# Allegro board TDI_KU5P_QSFP28_CXP_V001-20240805_1841.brd (continued)
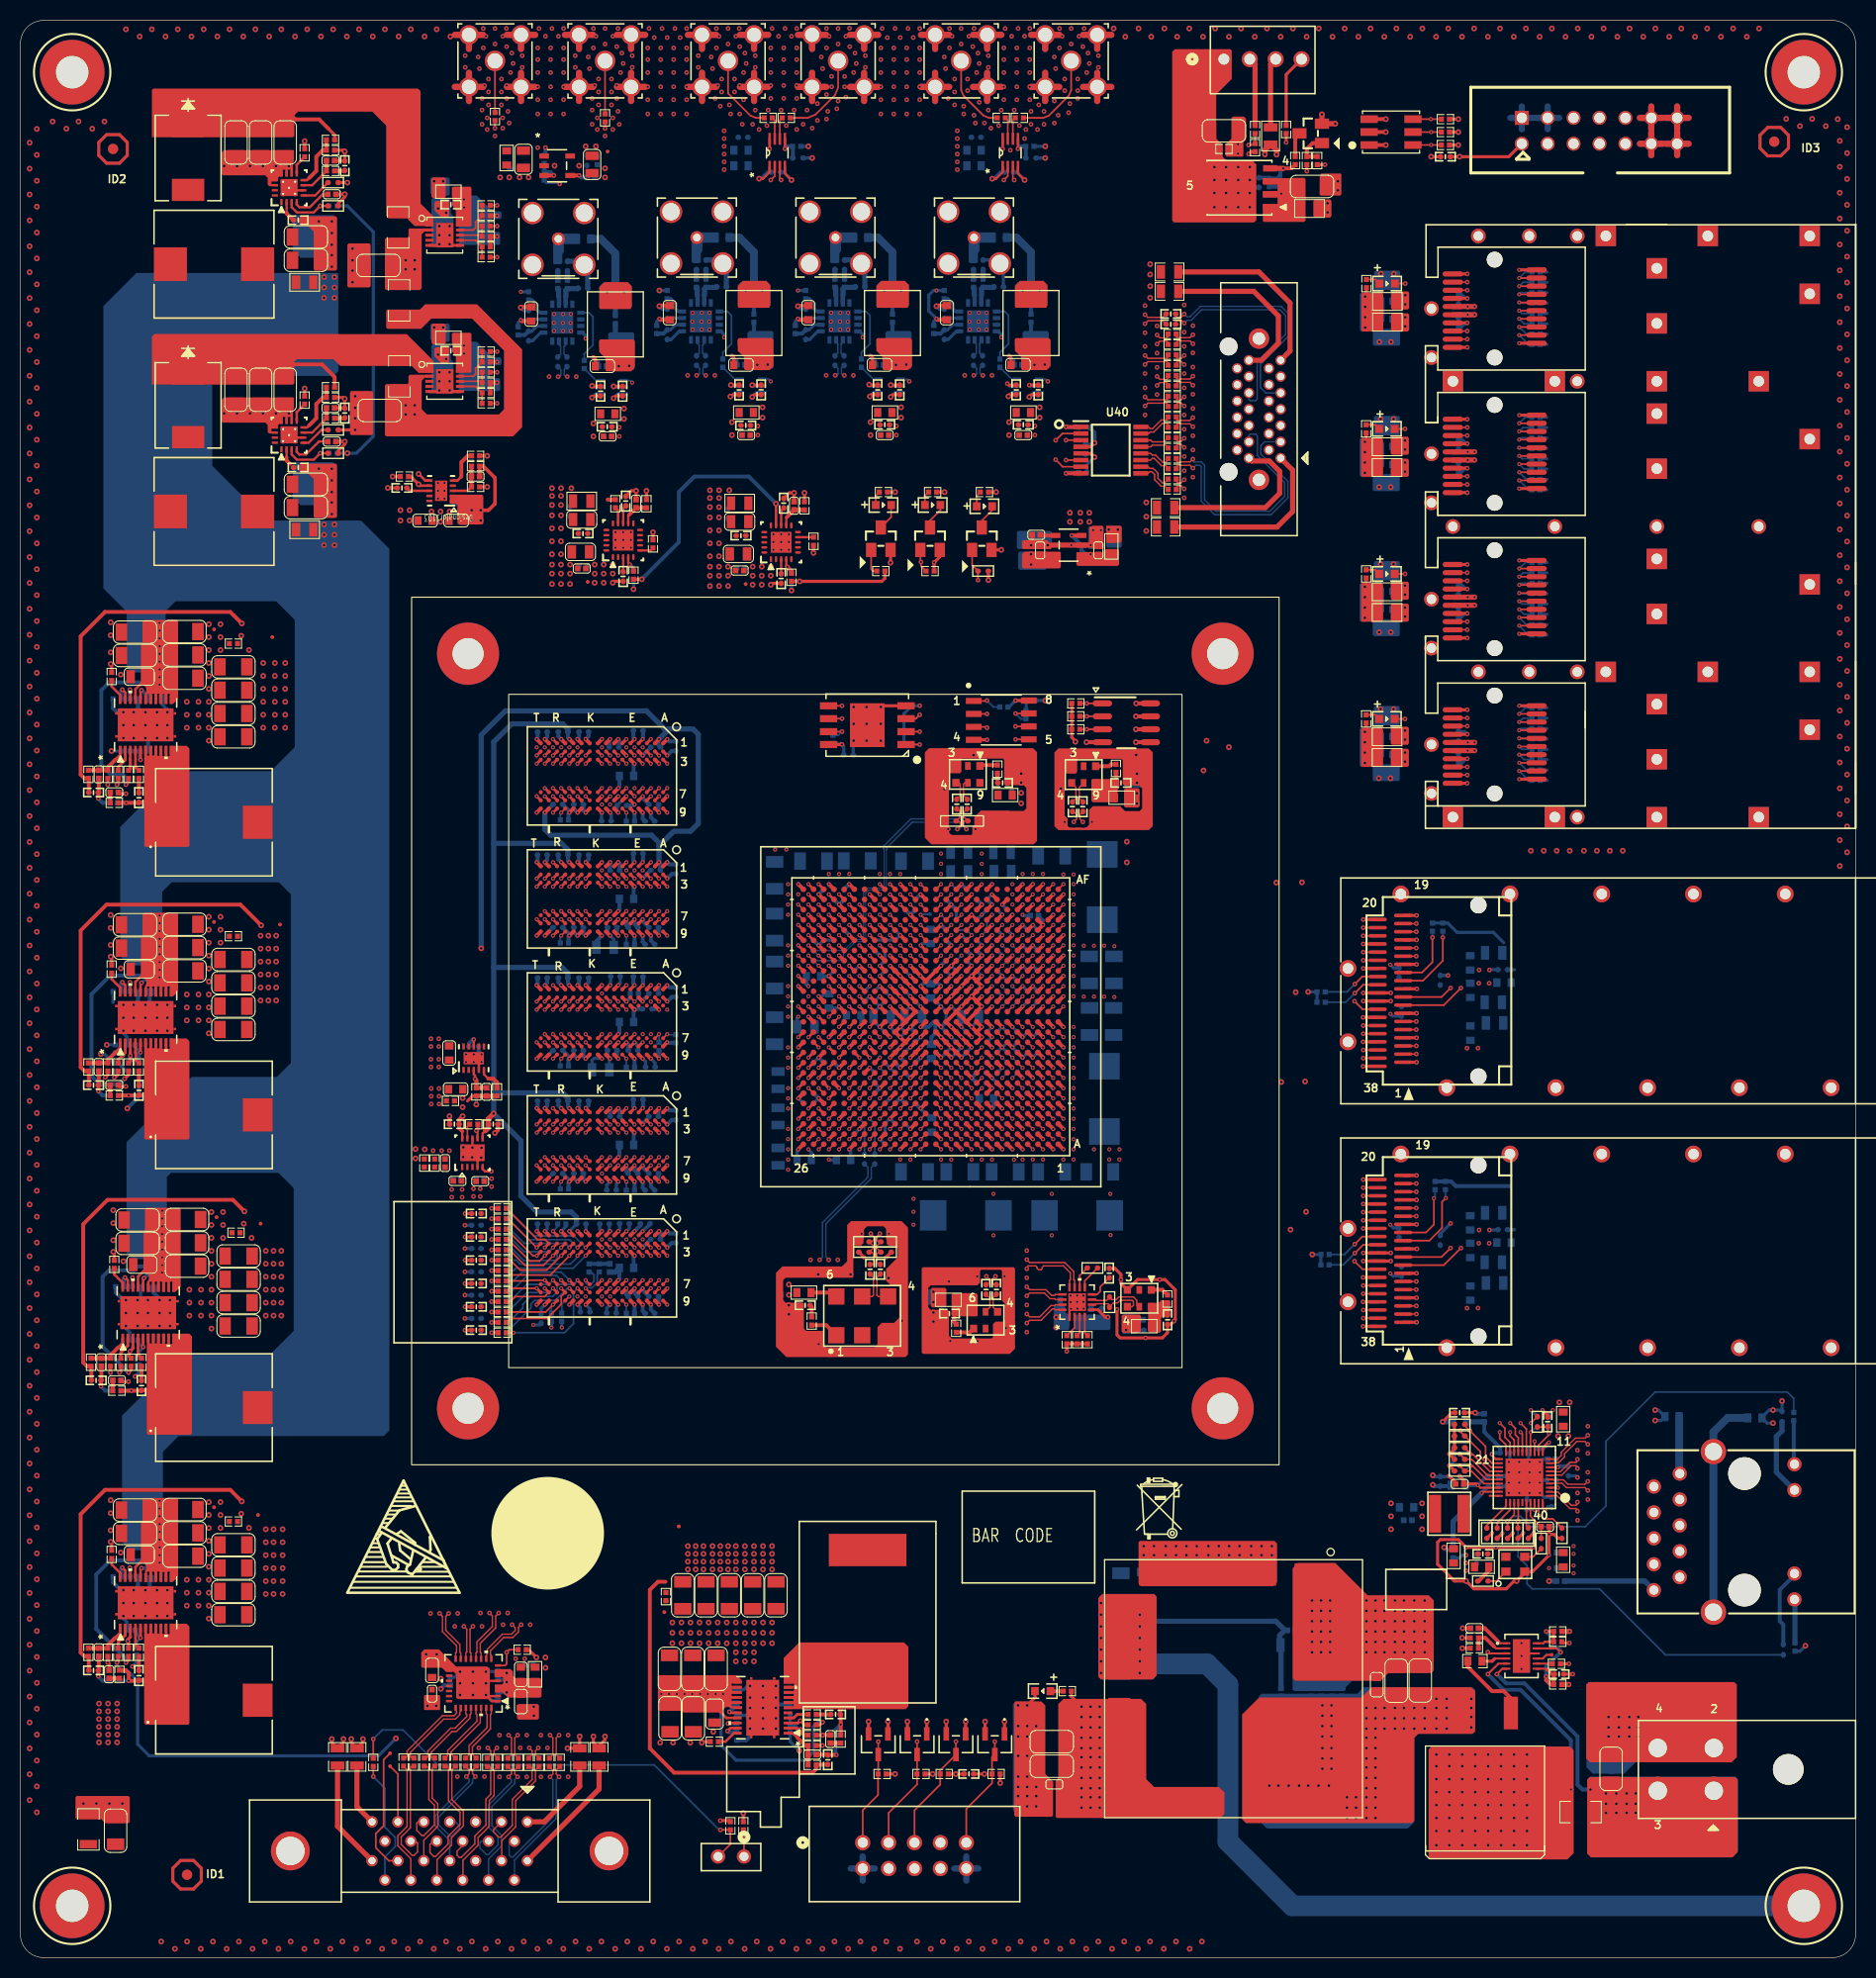
[diagram p0: board, top side]
## Routing (per net, layer and track width the routed paths; a pad name or vN(x,y) marks a point on that pad's centre or on a via; arc(x,y) is an arc through that point) (continued)
CHA_GPIO_3V3_11: length 131.6
  TOP w0.17: U1.K10 v1(93.3,88.28)
  ART03 w0.122: J3.6 150.99,179.1 150.99,177.16 149.22,175.38 139.26,175.38 126.25,162.37 126.25,143.79 112.72,130.25 112.72,97.09 107.42,91.8 94.17,91.8 93.79,91.41 93.79,90.02 93.54,89.76 93.03,89.76 92.9,89.64 92.9,88.67 v1(93.3,88.28)
CHA_GPIO_3V3_12: length 130.9
  TOP w0.17: U1.K9 v1(94.3,89.28)
  ART03 w0.122: J3.8 153.53,179.1 153.53,176.41 151.76,174.63 139.58,174.63 127.01,162.06 127.01,143.48 113.48,129.95 113.48,96.79 106.46,89.78 95.07,89.78 94.58,89.28 v1(94.3,89.28)
CHA_GPIO_3V3_13: length 134.4
  TOP w0.17: U1.H9 v1(94.3,87.28)
  ART03 w0.122: v1(94.3,87.28) 94.79,87.77 105.48,87.77 114.24,96.54 114.24,129.65 127.76,143.16 127.76,161.75 139.89,173.88 153.78,173.88 156.07,176.17 156.07,179.1 J3.10
CHA_GPIO_3V3_14: length 109.9
  TOP w0.17: U1.AD13 v1(90.3,103.28) ; R360.1 v2(46.55,179.43)
  ART05 w0.122: v2(46.55,179.43) 47.54,178.44 47.54,177.14 46.34,175.95 46.34,174.19 48.33,172.21 48.33,159.11 49.6,157.84 49.6,151.82 59.07,142.34 62.17,142.34 65.47,139.04 65.47,135.61 68.27,132.82 80.18,132.82 95.14,117.86 95.14,110.54 91.69,107.09 91.69,103.97 91.46,103.73 90.87,103.73 90.42,103.28 v1(90.3,103.28)
CHA_GPIO_3V3_15: length 102.7
  TOP w0.17: U1.AA13 v1(90.3,100.28) ; R357.1 v2(57.34,179.4)
  ART05 w0.122: v1(90.3,100.28) 90.3,100.37 90.74,100.81 90.74,101.32 91.13,101.7 91.51,101.7 91.91,102.11 91.91,106.75 95.52,110.36 95.52,124.43 85.92,134.04 85.92,137.26 74.89,148.29 68.67,148.29 61.69,155.27 61.69,173.05 57.34,177.39 57.34,177.97 56.85,178.46 56.85,178.87 57.34,179.36 v2(57.34,179.4)
CHA_MGTAVCC: length 16.2
  TOP w0.305: v3(58.11,134.85) 58.24,134.99 C373.1
  TOP w0.381: U1.N7 v1(96.3,91.27) ; U1.AC7 v1(96.3,102.28) ; U1.W7 v1(96.3,98.28) ; U1.J7 v1(96.3,87.27) ; U1.AA7 v1(96.3,100.28) ; U1.L7 v1(96.3,89.28)
  BOTTOM w0.305: C118.1 95.8,88.78 v1(96.3,89.28) ; U1.J7 v1(96.3,87.27) 95.8,86.77 C126.2 ; U1.L7 v1(96.3,89.28) ; v1(96.3,89.28) 96.8,89.78 C114.1 ; v1(96.3,89.28) 96.8,88.78 C125.2 ; U1.W7 v1(96.3,98.28) 95.8,98.78 C113.1 ; v1(96.3,91.27) 95.8,90.78 C127.2 ; v1(96.3,91.27) 96.79,90.78 C124.2 ; v1(96.3,91.27) U1.N7 ; U1.AA7 v1(96.3,100.28) 95.8,100.78 C122.1 ; U1.AC7 v1(96.3,102.28) 95.8,102.78 C116.1
  vias: v1(75.29,105.28) v1(75.29,104.28) v1(75.29,103.28) v1(75.29,102.28) v1(76.29,104.28) v1(84.29,106.28) v1(85.29,106.28) v1(86.29,106.28) v3(56.33,136.63) v3(56.33,135.74) v3(56.33,134.85) v3(57.22,136.63) v3(57.22,135.74) v3(57.22,134.85) v3(58.11,136.63) v3(58.11,135.74)
CHA_MGTAVCC_GOOD: length 24.3
  TOP w0.254: U24.14 v3(74.11,142.6)
  TOP w0.305: R216.1 v3(60.94,135.18)
  BOTTOM w0.381: v3(74.11,142.6) 71.45,145.26 66.11,145.26 64.58,143.74 64.58,138.82 v3(60.94,135.18)
CHA_MGTAVTT: length 20.4
  TOP w0.305: v3(73.6,134.65) 73.74,134.79 C382.1 ; U1.T5 v1(98.3,95.28)
  TOP w0.381: U1.E7 95.8,83.77 v1(96.29,83.28) ; U1.G7 v1(96.3,85.28) ; U1.H5 v1(98.3,86.28) ; U1.P5 v1(98.3,93.28) ; U1.V5 v1(98.3,97.28) ; U1.C7 v1(96.3,81.27) ; U1.F5 v1(98.3,84.27) ; U1.AE7 v1(95.29,104.28) ; U1.AB5 v1(98.3,101.28) ; U1.AD8 v1(95.3,103.28) ; U1.M5 v1(98.3,90.27) ; U1.Y5 v1(98.3,99.28) ; U1.K5 v1(98.3,88.28) ; U1.A7 v1(96.3,79.28)
  BOTTOM w0.305: U1.A7 v1(96.3,79.28) ; v1(98.3,99.28) 98.8,98.78 C93.1 ; C100.2 98.8,94.78 v1(98.3,95.28) ; v1(98.3,90.27) 98.8,90.78 C97.2 ; v1(95.29,104.28) 94.8,103.78 R55.1 ; v1(98.3,88.28) 98.8,88.78 C99.2 ; U1.F5 v1(98.3,84.27) ; v1(98.3,97.28) 98.8,96.78 C96.1 ; C92.1 98.8,100.78 v1(98.3,101.28) ; C101.2 v1(98.3,93.28) ; U1.C7 v1(96.3,81.27)
  BOTTOM w0.381: R55.1 94.8,103.78 v1(95.3,103.28)
  vias: v1(97.45,78.26) v1(98.3,78.28) v1(99.3,78.28) v1(100.3,78.28) v1(102.3,106.23) v1(103.3,106.23) v1(104.3,94.25) v1(105.3,94.25) v1(106.3,94.25) v1(107.29,94.22) v3(71.82,136.42) v3(71.82,135.53) v3(71.82,134.65) v3(72.71,136.42) v3(72.71,135.53) v3(72.71,134.65) v3(73.6,136.42) v3(73.6,135.53)
CHA_MGTAVTT_GOOD: length 64.9
  TOP w0.305: R222.1 v3(76.44,134.98) 84.49,134.98 84.8,135.29 R224.2
  ART05 w0.305: v3(76.44,134.98) 76.44,139.96 75.66,140.74 72.23,140.74 70.82,142.15 70.82,145.1 60.8,155.12 60.8,170.26 57.09,173.96 v2(52.9,173.96)
  BOTTOM w0.305: R281.2 51.61,174.09 52.77,174.09 v2(52.9,173.96)
CHA_MGTH224_RXN0: length 72.4
  TOP w0.17: U1.AF1 v1(102.3,105.28)
  ART12 w0.114: v2(67.22,155.19) 67.07,155.03 arc(66.96,154.88) 66.93,154.7 66.93,150.77 arc(66.95,150.67) 67.01,150.58 68.95,148.64 arc(69.37,148.36) 69.87,148.26 79.11,148.26 arc(79.7,148.14) 80.19,147.81 99.5,128.51 arc(100.95,126.33) 101.47,123.76 101.47,106.41 arc(101.49,106.31) 101.54,106.22 101.78,105.99 arc(101.9,105.8) 101.95,105.58 101.95,105.39 arc(101.98,105.31) 102.06,105.28 v1(102.3,105.28)
  BOTTOM w0.14: v2(67.22,155.19) 67.08,155.19 66.94,155.32 66.94,155.91 C285.2
CHA_MGTH224_RXN1: length 83.8
  TOP w0.17: U1.AE3 v1(100.3,104.28)
  ART12 w0.102: 99.95,107.11 99.95,107.09 99.9,107.03 99.9,104.45 arc(99.91,104.39) 99.94,104.34 99.96,104.33 arc(100.01,104.29) 100.06,104.28 v1(100.3,104.28)
  ART12 w0.114: v2(53.63,155.06) 53.48,154.9 arc(53.38,154.75) 53.34,154.57 53.34,152.13 arc(53.62,150.7) 54.43,149.49 55.87,148.06 arc(57.22,147.15) 58.81,146.84 76.58,146.84 arc(77,146.75) 77.35,146.52 99.57,124.3 arc(99.85,123.87) 99.95,123.38 99.95,107.11
  BOTTOM w0.14: C281.2 53.34,155.77 53.34,155.23 53.52,155.06 v2(53.63,155.06)
CHA_MGTH224_RXN2: length 67.4
  TOP w0.17: U1.AD1 v1(102.3,103.28)
  ART12 w0.102: v1(102.3,103.28) 102.07,103.28 arc(102,103.31) 101.97,103.38 101.97,103.59 arc(102,103.67) 102.08,103.7 103.7,103.7 103.75,103.65 103.77,103.65
  ART12 w0.114: 103.77,103.65 104.17,103.65 arc(104.39,103.69) 104.57,103.82 105.9,105.14 arc(106.02,105.33) 106.06,105.54 106.06,122.68 arc(105.57,125.17) 104.16,127.27 82,149.44 arc(80.9,151.08) 80.52,153.01 80.52,154.7 arc(80.55,154.88) 80.66,155.03 v2(80.81,155.19)
  BOTTOM w0.14: C309.2 80.53,155.91 80.53,155.35 80.69,155.19 v2(80.81,155.19)
CHA_MGTH224_RXN3: length 64.5
  TOP w0.17: U1.AB1 v1(102.3,101.28)
  ART12 w0.102: 103.57,101.65 103.55,101.65 103.49,101.7 102.08,101.7 arc(102,101.67) 101.97,101.59 101.97,101.38 arc(102,101.31) 102.07,101.28 v1(102.3,101.28)
  ART12 w0.114: v2(94.4,155.19) 94.24,155.03 arc(94.14,154.88) 94.11,154.7 94.11,151.04 arc(94.31,150.03) 94.88,149.18 96.04,148.02 arc(97.12,146.4) 97.5,144.49 97.5,136.84 arc(97.67,135.99) 98.15,135.27 105.47,127.95 arc(106.71,126.09) 107.15,123.88 107.15,104.76 arc(107.11,104.54) 106.98,104.35 104.45,101.81 arc(104.26,101.69) 104.04,101.65 103.57,101.65
  BOTTOM w0.14: v2(94.4,155.19) 94.28,155.19 94.12,155.35 94.12,155.91 C305.2
CHA_MGTH224_RXP0: length 72.5
  TOP w0.17: U1.AF2 v1(101.3,105.28)
  ART12 w0.114: v1(101.3,105.28) 101.52,105.28 arc(101.6,105.31) 101.64,105.39 101.64,105.58 arc(101.62,105.68) 101.56,105.77 101.33,106 arc(101.2,106.19) 101.16,106.41 101.16,123.76 arc(100.67,126.21) 99.28,128.29 79.98,147.6 arc(79.58,147.86) 79.11,147.95 69.87,147.95 arc(69.25,148.07) 68.74,148.42 66.79,150.37 arc(66.67,150.55) 66.62,150.77 66.62,154.7 arc(66.59,154.88) 66.48,155.03 v2(66.33,155.19)
  BOTTOM w0.14: C283.2 66.61,155.86 66.61,155.32 66.47,155.19 v2(66.33,155.19)
CHA_MGTH224_RXP1: length 83.8
  TOP w0.17: U1.AE4 v1(99.3,104.28)
  ART12 w0.102: 99.65,107.11 99.65,107.09 99.7,107.03 99.7,104.45 arc(99.69,104.39) 99.65,104.34 99.64,104.33 arc(99.59,104.29) 99.53,104.28 v1(99.3,104.28)
  ART12 w0.114: v2(52.74,155.06) 52.9,154.9 arc(53,154.75) 53.03,154.57 53.03,152.13 arc(53.34,150.59) 54.21,149.28 55.65,147.84 arc(57.1,146.87) 58.81,146.53 76.58,146.53 arc(76.88,146.47) 77.13,146.3 99.35,124.08 arc(99.57,123.76) 99.65,123.38 99.65,107.11
  BOTTOM w0.14: v2(52.74,155.06) 52.89,155.06 53.01,155.19 53.01,155.74 C279.2
CHA_MGTH224_RXP2: length 67.5
  TOP w0.17: U1.AD2 v1(101.3,103.28)
  ART12 w0.102: v1(101.3,103.28) 101.67,103.28 arc(101.74,103.31) 101.77,103.38 101.77,103.59 arc(101.86,103.81) 102.08,103.9 103.7,103.9 103.75,103.96 103.77,103.96
  ART12 w0.114: v2(79.92,155.19) 80.07,155.03 arc(80.18,154.88) 80.21,154.7 80.21,153.01 arc(80.62,150.96) 81.78,149.22 103.94,127.06 arc(105.28,125.05) 105.76,122.68 105.76,105.54 arc(105.74,105.44) 105.68,105.36 104.35,104.03 arc(104.27,103.98) 104.17,103.96 103.77,103.96
  BOTTOM w0.14: v2(79.92,155.19) 80.06,155.19 80.2,155.32 80.2,155.86 C307.2
CHA_MGTH224_RXP3: length 64.5
  TOP w0.17: U1.AB2 v1(101.3,101.28)
  ART12 w0.102: v1(101.3,101.28) 101.67,101.28 arc(101.74,101.31) 101.77,101.38 101.77,101.59 arc(101.86,101.81) 102.08,101.9 103.49,101.9 103.55,101.95 103.57,101.95
  ART12 w0.114: 103.57,101.95 104.04,101.95 arc(104.14,101.97) 104.23,102.03 106.77,104.57 arc(106.82,104.66) 106.85,104.76 106.85,123.88 arc(106.43,125.97) 105.25,127.73 97.94,135.05 arc(97.39,135.87) 97.19,136.84 97.19,144.49 arc(96.84,146.28) 95.82,147.81 94.66,148.96 arc(94.02,149.92) 93.8,151.04 93.8,154.7 arc(93.76,154.88) 93.66,155.03 v2(93.51,155.19)
  BOTTOM w0.14: v2(93.51,155.19) 93.65,155.19 93.79,155.32 93.79,155.86 C303.2
CHA_MGTH_224_CLK0_N: length 2.2
  TOP w0.14: C47.2 103.86,113.7 103.86,114.78 X2.5
CHA_MGTH_224_CLK0_P: length 2.2
  TOP w0.14: C46.2 103.53,113.69 103.53,114.78 X2.4
CHA_MGTH_225_CLK0_N: length 56.7
  TOP w0.14: v2(98.71,62.23) 98.99,62.51 100.11,62.51 101.22,63.62 101.43,63.62 101.52,63.54 U38.16
  ART10 w0.102: v1(97.3,99.28) 97.15,99.28 97.05,99.38 97.05,99.61 96.77,99.9 95.97,99.9 95.7,99.63 95.7,97 95.57,96.88 90.06,96.88 90.01,96.93 89.98,96.93
  ART10 w0.114: 89.98,96.93 89.6,96.93 88.71,96.04 88.71,75.87 91.66,72.92 91.66,66.29 93.72,64.23 96.38,64.23 98.21,62.41 98.59,62.41 98.71,62.28 v2(98.71,62.23)
  BOTTOM w0.14: v1(97.3,99.28) 97.8,98.79 C49.2
CHA_MGTH_225_CLK0_P: length 56.6
  TOP w0.14: U38.15 101.52,64.04 101.43,63.95 101.08,63.95 99.97,62.84 98.99,62.84 v2(98.71,63.12)
  ART10 w0.102: v1(96.3,99.28) 96.75,99.28 96.85,99.38 96.85,99.53 96.68,99.69 96.05,99.69 95.9,99.54 95.9,96.92 95.65,96.67 90.06,96.67 90.01,96.62 89.98,96.62
  ART10 w0.114: 89.98,96.62 89.73,96.62 89.02,95.91 89.02,75.99 91.97,73.05 91.97,66.42 93.84,64.54 96.51,64.54 96.88,64.18 97.04,64.18 97.09,64.23 97.25,64.23 97.42,64.07 97.42,63.91 97.36,63.85 97.36,63.69 97.52,63.53 97.68,63.53 97.74,63.58 97.9,63.58 98.06,63.42 98.06,63.26 98.01,63.21 98.01,63.04 98.34,62.71 98.6,62.71 98.71,62.83 v2(98.71,63.12)
  BOTTOM w0.14: C48.2 96.8,98.78 v1(96.3,99.28)
CHA_MGTH_226_CLK0_N: length 49.9
  TOP w0.14: v2(98.71,64.9) 98.99,65.18 100.44,65.18 101,64.62 101.43,64.62 101.52,64.54 U38.14
  ART10 w0.102: 90.03,95.94 90.06,95.94 90.11,95.88 96.78,95.88 97.06,95.61 97.06,95.38 97.16,95.28 v1(97.3,95.28)
  ART10 w0.114: 90.03,95.94 89.87,95.94 89.57,95.64 89.57,76.73 92.7,73.61 92.7,66.7 94.21,65.19 98.42,65.19 v2(98.71,64.9)
  BOTTOM w0.14: C53.2 97.8,94.79 v1(97.3,95.28)
CHA_MGTH_226_CLK0_P: length 49.9
  TOP w0.14: v2(98.71,65.79) 98.99,65.51 100.58,65.51 101.14,64.95 101.43,64.95 101.52,65.04 U38.13
  ART10 w0.102: v1(96.3,95.28) 96.75,95.28 96.86,95.38 96.86,95.53 96.7,95.68 90.11,95.68 90.06,95.63 90.03,95.63
  ART10 w0.114: v2(98.71,65.79) 98.71,65.61 98.6,65.5 98.23,65.5 98.11,65.61 98.11,65.75 98,65.86 97.77,65.86 97.65,65.75 97.65,65.61 97.54,65.5 97.31,65.5 97.2,65.61 97.2,65.75 97.08,65.86 96.85,65.86 96.74,65.75 96.74,65.61 96.63,65.5 94.34,65.5 93,66.83 93,73.74 89.88,76.86 89.88,95.52 89.99,95.63 90.03,95.63
  BOTTOM w0.14: v1(96.3,95.28) 96.3,95.22 C51.2
CHA_MGTH_226_CLK1_N: length 2.1
  TOP w0.14: X3.5 95.09,63.77 95.09,64.68 C55.2
CHA_MGTH_226_CLK1_P: length 2
  TOP w0.14: C54.2 95.42,64.76 95.42,63.77 X3.4
CHA_MGTH_227_CLK0_N: length 31.6
  TOP w0.14: U38.12 102.9,66.41 102.98,66.5 102.98,67.15 102.29,67.85 100.35,67.85 100.22,67.72 100.22,67.59 100.1,67.46 99.86,67.46 99.71,67.62 99.71,67.72 99.58,67.85 98.84,67.85 98.71,67.72 v2(98.71,67.57)
  ART10 w0.102: 95.3,77.41 95.29,77.42 95.29,77.5 94.68,78.1 94.68,86.5 95.05,86.87 96.64,86.87 96.9,86.61 96.9,86.38 97,86.28 v1(97.3,86.28)
  ART10 w0.114: 95.3,77.41 97.2,75.51 97.2,68.37 97.71,67.86 98.42,67.86 v2(98.71,67.57)
  BOTTOM w0.14: C52.2 97.8,86.77 v1(97.3,86.28)
CHA_MGTH_227_CLK0_P: length 31.5
  TOP w0.14: U38.11 103.4,66.41 103.31,66.5 103.31,67.29 102.43,68.17 98.99,68.17 v2(98.71,68.45)
  ART10 w0.102: 95.52,77.62 95.5,77.64 95.43,77.64 94.88,78.19 94.88,86.41 95.14,86.66 96.55,86.66 96.7,86.52 96.7,86.38 96.6,86.28 v1(96.3,86.28)
  ART10 w0.114: 95.52,77.62 97.5,75.64 97.5,71.5 97.62,71.38 97.69,71.38 97.81,71.27 97.81,71.04 97.69,70.93 97.62,70.93 97.5,70.81 97.5,70.58 97.62,70.47 97.69,70.47 97.81,70.35 97.81,70.13 97.69,70.01 97.62,70.01 97.5,69.9 97.5,69.67 97.62,69.55 97.69,69.55 97.81,69.44 97.81,69.21 97.69,69.1 97.62,69.1 97.5,68.98 97.5,68.5 97.84,68.16 98.42,68.16 v2(98.71,68.45)
  BOTTOM w0.14: v1(96.3,86.28) 96.8,86.77 C50.2
CHA_MGTVCCAUX: length 5.8
  TOP w0.381: U1.R7 v1(96.3,94.28) ; U1.U7 v1(96.3,96.28)
  BOTTOM w0.305: v1(96.3,96.28) 96.8,95.78 C109.1 ; v1(96.3,96.28) 95.8,96.78 C111.1 ; v1(96.3,96.28) U1.U7 ; v1(98.3,102.28) 98.39,102.18 C107.1 ; C112.1 95.8,94.78 v1(96.3,94.28) U1.R7
  vias: v3(99.13,137.64) v3(99.13,136.63)
CHA_QSFP0_I2C_SCL: length 78.4
  TOP w0.17: v1(139.82,74.5) 139.44,74.12 139.44,71.57 138.19,70.32 J4.11 ; U1.D14 v1(88.29,82.28)
  ART03 w0.122: v1(139.82,74.5) 139.82,78.56 137.02,81.36 132.27,81.36 132.01,81.09 122.67,71.75 100.1,71.75 99.74,72.11 97.2,72.11 96.84,71.75 92.79,71.75 87.68,76.86 87.68,81.75 88.21,82.28 v1(88.29,82.28)
  BOTTOM w0.17: v1(139.82,74.5) 139.77,74.55 R102.2
CHA_QSFP0_I2C_SDA: length 80.9
  TOP w0.17: U1.E12 v1(91.3,83.28) ; J4.12 137.85,71.12 138.64,71.9 v1(138.64,74.47)
  ART03 w0.122: v1(138.64,74.47) 138.64,78.55 136.4,80.78 132.31,80.78 122.93,71.4 99.94,71.4 99.61,71.73 97.3,71.73 96.97,71.4 92.55,71.4 86.9,77.05 86.9,82.5 87.07,82.66 90.76,82.66 91.3,83.21 v1(91.3,83.28)
  BOTTOM w0.17: R103.2 138.75,74.59 v1(138.64,74.47)
CHA_QSFP0_INTL: length 68.7
  TOP w0.17: J4.28 131.7,69.92 v2(130.88,69.09) ; U1.E11 v1(92.3,83.28)
  ART03 w0.122: v1(92.3,83.28) 91.91,83.66 86.14,83.66 85.91,83.43 85.91,76.92 93.06,69.77 96.41,69.77 97.6,70.97 99.38,70.97 100.5,69.85 126.96,69.85 127.73,69.09 v2(130.88,69.09)
  BOTTOM w0.17: v2(130.88,69.09) 129.73,67.94 R105.2
CHA_QSFP0_LPMODE: length 65.9
  TOP w0.17: v2(130.85,68.3) 131.64,67.51 J4.31 ; U1.F13 v1(90.3,84.27)
  ART03 w0.122: v2(130.85,68.3) 125.44,68.3 124.68,69.06 100.78,69.06 99.25,70.59 97.73,70.59 96.51,69.37 92.3,69.37 87.98,73.69 86.63,73.69 85.68,74.63 85.68,83.52 86.05,83.89 89.91,83.89 v1(90.3,84.27)
CHA_QSFP0_MODPRSL: length 63.9
  TOP w0.17: v2(130.88,69.98) 131.61,70.72 J4.27 ; U1.E13 v1(90.3,83.28)
  ART03 w0.122: v2(130.88,69.98) 128.23,69.98 127.84,70.37 100.48,70.37 99.51,71.35 97.48,71.35 96.36,70.23 93.18,70.23 86.68,76.73 86.68,82.65 86.92,82.89 89.91,82.89 v1(90.3,83.28)
  BOTTOM w0.17: v2(130.88,69.98) 129.86,68.96 R104.2
CHA_QSFP0_MODSEIL: length 92.9
  TOP w0.17: J4.8 139.61,67.92 v2(141.29,69.6) ; U1.G14 v1(88.29,85.28)
  ART03 w0.122: v1(88.29,85.28) 88.29,85.15 88.05,84.91 87.45,84.91 87.44,84.91 84.92,84.91 84.68,84.67 84.68,73.07 86.53,71.22 88.74,71.22 91.43,68.53 96.81,68.53 98.17,69.88 98.94,69.88 100.98,67.84 119.14,67.84 126.58,60.4 138.09,60.4 141.29,63.6 v2(141.29,69.6)
CHA_QSFP0_RESETL: length 88.1
  TOP w0.17: U1.F14 v1(88.29,84.27) ; J4.9 139.39,68.72 v2(140.27,69.6)
  ART03 w0.122: v2(140.27,69.6) 140.27,64.02 137.67,61.42 127.09,61.42 119.85,68.66 100.68,68.66 99.13,70.21 97.98,70.21 96.71,68.94 92.16,68.94 88.43,72.67 86.22,72.67 85.21,73.69 85.21,78.46 84.9,78.77 84.9,84.51 85.05,84.66 87.91,84.66 v1(88.29,84.27)
CHA_QSFP0_RX0_N: length 60.9
  TOP w0.14: J4.18 135.63,75.92 v2(136.91,75.92)
  TOP w0.17: U1.D1 v1(102.3,82.28)
  ART10 w0.102: 103.85,81.91 103.83,81.91 103.77,81.86 102.1,81.86 arc(101.96,81.91) 101.9,82.05 101.9,82.09 arc(101.96,82.22) 102.09,82.28 v1(102.3,82.28)
  ART10 w0.114: 103.85,81.91 113.36,81.91 arc(113.46,81.93) 113.55,81.99 116.46,84.9 arc(116.64,85.02) 116.86,85.07 124.93,85.07 arc(125.39,84.88) 125.58,84.42 125.58,83.28 arc(125.93,82.93) 126.27,83.28 126.27,84.42 arc(126.92,85.07) 127.57,84.42 127.57,83.28 arc(127.91,82.93) 128.26,83.28 128.26,84.42 arc(128.91,85.07) 129.56,84.42 129.56,83.28 arc(129.9,82.93) 130.24,83.28 130.24,84.42 arc(130.89,85.07) 131.54,84.42 131.54,83.28 arc(131.89,82.93) 132.23,83.28 132.23,84.42 arc(132.42,84.88) 132.88,85.07 133.15,85.07 arc(133.7,84.84) 133.93,84.29 133.93,77.76 arc(133.96,77.58) 134.06,77.43 135.02,76.48 arc(135.11,76.44) 135.19,76.48 arc(135.28,76.52) 135.37,76.48 135.52,76.33 arc(135.55,76.24) 135.52,76.16 135.52,76.16 arc(135.48,76.07) 135.52,75.98 135.75,75.75 arc(135.83,75.69) 135.94,75.67 136.5,75.67 arc(136.65,75.7) 136.78,75.78 v2(136.91,75.92)
CHA_QSFP0_RX0_P: length 60.9
  TOP w0.14: J4.17 135.63,75.12 v2(136.91,75.12)
  TOP w0.17: U1.D2 v1(101.3,82.28)
  ART10 w0.102: v1(101.3,82.28) 101.51,82.28 arc(101.64,82.22) 101.7,82.09 101.7,82.05 arc(101.82,81.77) 102.1,81.65 103.77,81.65 103.83,81.6 103.85,81.6
  ART10 w0.114: v2(136.91,75.12) 136.78,75.25 arc(136.65,75.33) 136.5,75.36 135.94,75.36 arc(135.72,75.41) 135.53,75.53 133.84,77.22 arc(133.68,77.47) 133.62,77.76 133.62,84.29 arc(133.48,84.62) 133.15,84.76 132.88,84.76 arc(132.64,84.66) 132.54,84.42 132.54,83.28 arc(131.89,82.63) 131.24,83.28 131.24,84.42 arc(130.89,84.76) 130.55,84.42 130.55,83.28 arc(129.9,82.63) 129.25,83.28 129.25,84.42 arc(128.91,84.76) 128.56,84.42 128.56,83.28 arc(127.91,82.63) 127.26,83.28 127.26,84.42 arc(126.92,84.76) 126.58,84.42 126.58,83.28 arc(125.93,82.63) 125.28,83.28 125.28,84.42 arc(125.18,84.66) 124.93,84.76 116.86,84.76 arc(116.76,84.74) 116.68,84.68 113.76,81.77 arc(113.58,81.64) 113.36,81.6 103.85,81.6
CHA_QSFP0_RX1_N: length 60.6
  TOP w0.14: J4.21 131.72,75.52 v2(131.71,75.51)
  TOP w0.17: U1.C3 v1(100.3,81.27)
  ART10 w0.102: v1(100.3,81.27) 100.09,81.27 arc(99.96,81.22) 99.9,81.09 99.9,81.05 arc(99.96,80.91) 100.1,80.86 100.47,80.86 arc(100.76,80.74) 100.88,80.44 100.88,80.05 arc(100.89,79.86) 100.9,79.68 100.92,79.5 arc(100.92,79.47) 100.92,79.45 100.92,78.89 100.97,78.84 100.97,78.82
  ART10 w0.114: 100.97,78.82 100.97,78.64 102.1,77.52 arc(102.18,77.46) 102.28,77.44 108.22,77.44 arc(108.25,77.45) 108.27,77.45 arc(108.48,77.56) 108.57,77.79 108.57,78.34 arc(109.22,78.99) 109.87,78.34 109.87,77.81 arc(110.21,77.47) 110.55,77.81 110.55,78.34 arc(111.2,78.99) 111.85,78.34 111.85,77.81 arc(112.2,77.47) 112.54,77.81 112.54,78.34 arc(113.19,78.99) 113.84,78.34 113.84,77.81 arc(114.18,77.47) 114.53,77.81 114.53,78.34 arc(115.18,78.99) 115.83,78.34 115.83,77.81 arc(116.17,77.47) 116.51,77.81 116.51,78.34 arc(117.16,78.99) 117.81,78.34 117.81,77.81 arc(118.16,77.47) 118.5,77.81 118.5,78.34 arc(119.15,78.99) 119.8,78.34 119.8,77.81 arc(120.14,77.47) 120.48,77.81 120.48,78.34 arc(121.13,78.99) 121.79,78.34 121.79,77.81 arc(122.13,77.47) 122.47,77.81 122.47,78.34 arc(123.12,78.99) 123.77,78.34 123.77,77.81 arc(124.11,77.47) 124.46,77.81 124.46,78.34 arc(125.11,78.99) 125.76,78.34 125.76,77.81 arc(126.1,77.47) 126.44,77.81 126.44,78.34 arc(127.09,78.99) 127.74,78.34 127.74,77.79 arc(127.84,77.55) 128.09,77.44 129.01,77.44 arc(129.23,77.4) 129.42,77.28 129.69,77 arc(129.77,76.97) 129.85,77 arc(129.92,77.03) 130,77 130.17,76.83 arc(130.2,76.75) 130.17,76.68 arc(130.14,76.6) 130.17,76.53 130.34,76.35 arc(130.42,76.32) 130.49,76.35 arc(130.57,76.39) 130.65,76.35 130.82,76.18 arc(130.85,76.11) 130.82,76.03 arc(130.79,75.95) 130.82,75.88 131.37,75.33 arc(131.43,75.28) 131.51,75.27 131.6,75.27 arc(131.68,75.3) 131.71,75.38 v2(131.71,75.51)
CHA_QSFP0_RX1_P: length 60.6
  TOP w0.14: v2(131.71,74.71) 131.72,74.72 J4.22
  TOP w0.17: U1.C4 v1(99.3,81.27)
  ART10 w0.102: 100.67,78.82 100.67,78.84 100.72,78.89 100.72,79.45 arc(100.72,79.46) 100.72,79.47 100.7,79.66 arc(100.68,79.85) 100.68,80.05 100.68,80.44 arc(100.62,80.59) 100.47,80.65 100.1,80.65 arc(99.81,80.77) 99.7,81.05 99.7,81.09 arc(99.64,81.22) 99.51,81.27 v1(99.3,81.27)
  ART10 w0.114: v2(131.71,74.71) 131.71,74.85 arc(131.68,74.93) 131.6,74.96 131.51,74.96 arc(131.32,75) 131.15,75.11 129.2,77.06 arc(129.11,77.12) 129.01,77.14 128.09,77.14 arc(127.63,77.33) 127.44,77.79 127.44,78.34 arc(127.09,78.69) 126.75,78.34 126.75,77.81 arc(126.1,77.16) 125.45,77.81 125.45,78.34 arc(125.11,78.69) 124.76,78.34 124.76,77.81 arc(124.11,77.16) 123.46,77.81 123.46,78.34 arc(123.12,78.69) 122.78,78.34 122.78,77.81 arc(122.13,77.16) 121.48,77.81 121.48,78.34 arc(121.13,78.69) 120.79,78.34 120.79,77.81 arc(120.14,77.16) 119.49,77.81 119.49,78.34 arc(119.15,78.69) 118.81,78.34 118.81,77.81 arc(118.16,77.16) 117.51,77.81 117.51,78.34 arc(117.16,78.69) 116.82,78.34 116.82,77.81 arc(116.17,77.16) 115.52,77.81 115.52,78.34 arc(115.18,78.69) 114.83,78.34 114.83,77.81 arc(114.18,77.16) 113.53,77.81 113.53,78.34 arc(113.19,78.69) 112.85,78.34 112.85,77.81 arc(112.2,77.16) 111.55,77.81 111.55,78.34 arc(111.2,78.69) 110.86,78.34 110.86,77.81 arc(110.21,77.16) 109.56,77.81 109.56,78.34 arc(109.22,78.69) 108.87,78.34 108.87,77.79 arc(108.71,77.36) 108.31,77.14 arc(108.29,77.14) 108.27,77.14 arc(108.25,77.14) 108.22,77.14 102.28,77.14 arc(102.06,77.18) 101.88,77.3 100.67,78.52 100.67,78.82
CHA_QSFP0_RX2_N: length 62.1
  TOP w0.14: J4.15 v2(136.91,73.52)
  TOP w0.17: U1.B1 v1(102.3,80.27)
  ART10 w0.102: 103.85,79.91 103.83,79.91 103.77,79.86 102.01,79.86 arc(101.93,79.89) 101.9,79.96 101.9,80.09 arc(101.96,80.22) 102.09,80.27 v1(102.3,80.27)
  ART10 w0.114: v2(136.91,73.52) 136.77,73.37 arc(136.65,73.3) 136.52,73.27 136.43,73.27 arc(136.35,73.28) 136.29,73.33 136.07,73.54 arc(136.04,73.63) 136.07,73.72 arc(136.11,73.81) 136.08,73.9 135.93,74.04 arc(135.84,74.08) 135.75,74.04 135.75,74.04 arc(135.66,74.01) 135.57,74.04 129.4,80.22 arc(129.23,80.33) 129.04,80.37 124.71,80.37 arc(124.47,80.47) 124.37,80.71 124.37,82.76 arc(123.72,83.41) 123.07,82.76 123.07,80.71 arc(122.72,80.37) 122.38,80.71 122.38,82.76 arc(121.73,83.41) 121.08,82.76 121.08,80.71 arc(120.74,80.37) 120.39,80.71 120.39,82.76 arc(119.74,83.41) 119.09,82.76 119.09,80.71 arc(118.75,80.37) 118.41,80.71 118.41,82.76 arc(117.76,83.41) 117.11,82.76 117.11,80.71 arc(117.01,80.47) 116.76,80.37 105.08,80.37 arc(104.88,80.33) 104.72,80.22 104.47,79.97 arc(104.4,79.92) 104.32,79.91 103.85,79.91
CHA_QSFP0_RX2_P: length 62.2
  TOP w0.14: J4.14 v2(136.91,72.72)
  TOP w0.17: U1.B2 v1(101.3,80.27)
  ART10 w0.102: 103.85,79.6 103.83,79.6 103.77,79.65 102.01,79.65 arc(101.79,79.74) 101.7,79.96 101.7,80.09 arc(101.64,80.22) 101.51,80.27 v1(101.3,80.27)
  ART10 w0.114: 103.85,79.6 104.32,79.6 arc(104.52,79.64) 104.68,79.75 104.94,80 arc(105,80.04) 105.08,80.06 116.76,80.06 arc(117.22,80.25) 117.41,80.71 117.41,82.76 arc(117.76,83.11) 118.1,82.76 118.1,80.71 arc(118.75,80.06) 119.4,80.71 119.4,82.76 arc(119.74,83.11) 120.09,82.76 120.09,80.71 arc(120.74,80.06) 121.39,80.71 121.39,82.76 arc(121.73,83.11) 122.07,82.76 122.07,80.71 arc(122.72,80.06) 123.37,80.71 123.37,82.76 arc(123.72,83.11) 124.06,82.76 124.06,80.71 arc(124.25,80.25) 124.71,80.06 129.04,80.06 arc(129.12,80.04) 129.18,80 136.07,73.11 arc(136.24,73) 136.43,72.96 136.5,72.96 arc(136.65,72.93) 136.78,72.85 v2(136.91,72.72)
CHA_QSFP0_RX3_N: length 61.9
  TOP w0.14: J4.24 133.12,73.11 v2(131.71,73.11)
  TOP w0.17: U1.A3 v1(100.3,79.28)
  ART10 w0.102: v1(100.3,79.28) 100.06,79.28 arc(100.01,79.26) 99.96,79.23 99.94,79.22 arc(99.91,79.17) 99.9,79.11 99.9,77.97 99.95,77.91 99.95,77.89
  ART10 w0.114: 99.95,77.89 99.95,77.64 arc(99.97,77.54) 100.03,77.45 101.16,76.33 arc(101.24,76.27) 101.34,76.25 108.37,76.25 arc(108.83,76.06) 109.02,75.6 109.02,74.87 arc(109.37,74.53) 109.71,74.87 109.71,75.6 arc(110.36,76.25) 111.01,75.6 111.01,74.87 arc(111.35,74.53) 111.69,74.87 111.69,75.6 arc(112.34,76.25) 113,75.6 113,74.87 arc(113.34,74.53) 113.68,74.87 113.68,75.6 arc(114.33,76.25) 114.98,75.6 114.98,74.87 arc(115.32,74.53) 115.67,74.87 115.67,75.6 arc(116.32,76.25) 116.97,75.6 116.97,74.87 arc(117.31,74.53) 117.65,74.87 117.65,75.6 arc(118.3,76.25) 118.95,75.6 118.95,74.87 arc(119.3,74.53) 119.64,74.87 119.64,75.6 arc(120.29,76.25) 120.94,75.6 120.94,74.87 arc(121.28,74.53) 121.63,74.87 121.63,75.6 arc(122.28,76.25) 122.93,75.6 122.93,74.87 arc(123.27,74.53) 123.61,74.87 123.61,75.6 arc(124.26,76.25) 124.91,75.6 124.91,74.87 arc(125.26,74.53) 125.6,74.87 125.6,75.6 arc(125.79,76.06) 126.25,76.25 127.74,76.25 arc(127.96,76.21) 128.15,76.08 129.69,74.54 arc(129.76,74.51) 129.83,74.54 129.83,74.54 arc(129.9,74.57) 129.97,74.54 130.15,74.36 arc(130.18,74.29) 130.15,74.22 arc(130.12,74.15) 130.15,74.08 130.33,73.9 arc(130.4,73.87) 130.47,73.9 130.47,73.9 arc(130.54,73.93) 130.61,73.9 130.8,73.71 arc(130.83,73.64) 130.8,73.57 130.8,73.57 arc(130.77,73.5) 130.8,73.43 131.29,72.95 arc(131.37,72.89) 131.47,72.87 131.6,72.87 arc(131.68,72.9) 131.71,72.98 v2(131.71,73.11)
CHA_QSFP0_RX3_P: length 61.9
  TOP w0.14: J4.25 133.12,72.31 v2(131.71,72.31)
  TOP w0.17: U1.A4 v1(99.3,79.28)
  ART10 w0.102: 99.65,77.89 99.65,77.91 99.7,77.97 99.7,79.11 arc(99.69,79.17) 99.65,79.22 99.64,79.23 arc(99.59,79.26) 99.53,79.28 v1(99.3,79.28)
  ART10 w0.114: 99.65,77.89 99.65,77.64 arc(99.69,77.42) 99.81,77.24 100.94,76.11 arc(101.12,75.99) 101.34,75.94 108.37,75.94 arc(108.61,75.84) 108.72,75.6 108.72,74.87 arc(109.37,74.22) 110.02,74.87 110.02,75.6 arc(110.36,75.94) 110.7,75.6 110.7,74.87 arc(111.35,74.22) 112,74.87 112,75.6 arc(112.34,75.94) 112.69,75.6 112.69,74.87 arc(113.34,74.22) 113.99,74.87 113.99,75.6 arc(114.33,75.94) 114.67,75.6 114.67,74.87 arc(115.32,74.22) 115.97,74.87 115.97,75.6 arc(116.32,75.94) 116.66,75.6 116.66,74.87 arc(117.31,74.22) 117.96,74.87 117.96,75.6 arc(118.3,75.94) 118.65,75.6 118.65,74.87 arc(119.3,74.22) 119.95,74.87 119.95,75.6 arc(120.29,75.94) 120.63,75.6 120.63,74.87 arc(121.28,74.22) 121.93,74.87 121.93,75.6 arc(122.28,75.94) 122.62,75.6 122.62,74.87 arc(123.27,74.22) 123.92,74.87 123.92,75.6 arc(124.26,75.94) 124.61,75.6 124.61,74.87 arc(125.26,74.22) 125.91,74.87 125.91,75.6 arc(126.01,75.84) 126.25,75.94 127.74,75.94 arc(127.84,75.92) 127.93,75.87 131.07,72.73 arc(131.25,72.6) 131.47,72.56 131.6,72.56 arc(131.68,72.53) 131.71,72.45 v2(131.71,72.31)